# Altium PCB VHDCI_Carrier.PCBDOC (part 6 of 7) (continued)
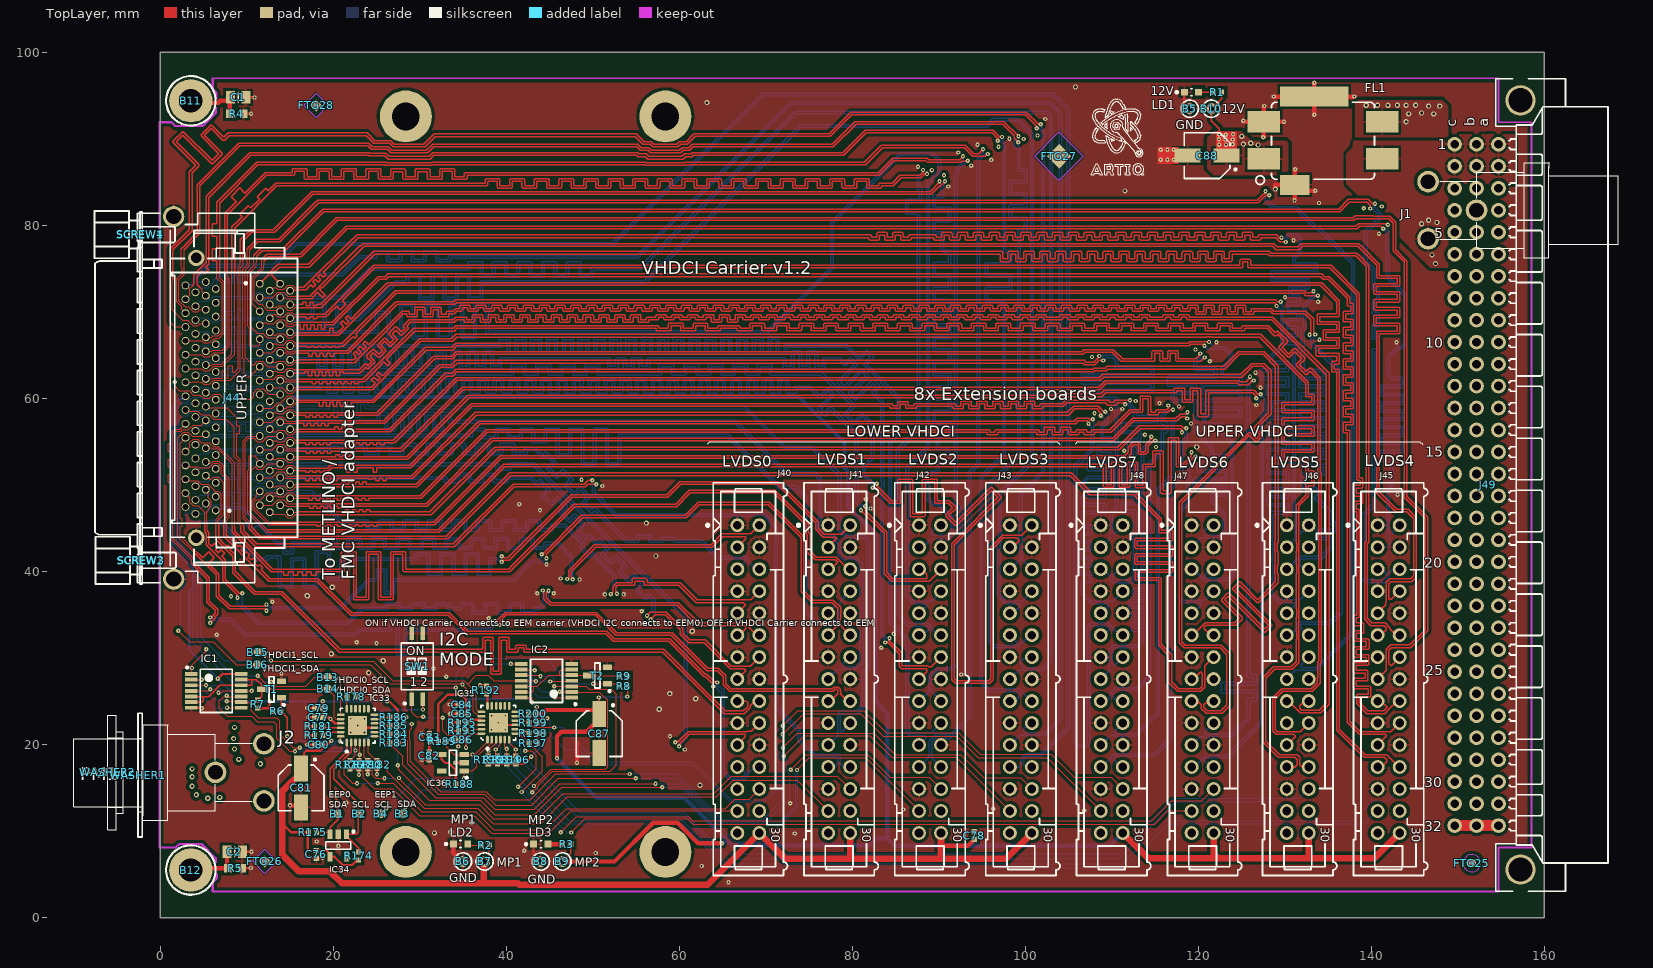
[diagram p0: TopLayer view]
## Nets (pads, with @x,y where several pads share a name; then routed paths per layer and width w, separated by ;. In a path a pad name is that pad's centre, name@x,y a point inside that pad or via, vN(x,y) a via of type N, cw(c..) or ccw(c..) an arc to the next point about the centre after c; other vN are vias at no path point) (continued)
  TopLayer w0.254: v1@116.883,58.713 v1(117.057,58.713)
  BottomLayer w0.152: J48.18@111.255,25.036 110.601,25.036 110.137,25.5 110.137,25.9 110.505,26.268 112.994,26.268 114.5,27.774 114.5,52.4 116.005,53.905 116.005,56.076 116.298,56.076 ccw(c116.298,56.228) 116.45,56.228 116.45,57.143 ccw(c116.298,57.143) 116.298,57.295 116.005,57.295 116.005,57.942 116.776,58.713 v1(117.057,58.713)
LVDS7_5_P: J44.U32 J48.17 | length 155.6
  TopLayer w0.127: J44.U32@12.675,48.471 12.948,48.744 13.496,48.744 13.61,48.63 14.278,48.63 14.76,49.111 15.29,49.111 15.658,48.744 15.825,48.744 15.85,48.769
  TopLayer w0.152: 15.85,48.769 30.069,48.769 37.6,56.3 37.705,56.405 95.728,56.405 cw(c95.728,56.252) 95.881,56.252 95.881,56.111 96.49,56.111 96.49,56.252 cw(c96.643,56.252) 96.643,56.405 101.442,56.405 cw(c101.442,56.252) 101.594,56.252 101.594,56.111 102.204,56.111 102.204,56.541 cw(c102.356,56.541) 102.356,56.694 103.271,56.694 cw(c103.271,56.541) 103.423,56.541 103.423,56.111 104.033,56.111 104.033,56.541 cw(c104.185,56.541) 104.185,56.694 105.1,56.694 cw(c105.1,56.541) 105.252,56.541 105.252,56.111 105.862,56.111 105.862,56.252 cw(c106.014,56.252) 106.014,56.405 106.928,56.405 cw(c106.928,56.252) 107.081,56.252 107.081,56.111 107.69,56.111 107.69,56.252 cw(c107.843,56.252) 107.843,56.405 109.774,56.405 112.074,58.705 113.262,58.705 113.262,60.116 cw(c113.414,60.116) 113.414,60.268 114.328,60.268 cw(c114.328,60.116) 114.481,60.116 114.481,58.427 115.09,58.427 115.09,58.552 cw(c115.243,58.552) 115.243,58.705 116.337,58.705 v1@116.614,58.982
  BottomLayer w0.152: J48.17@108.715,25.036 109.369,25.036 109.832,25.5 109.832,26.026 110.379,26.573 112.868,26.573 114.195,27.9 114.195,52.526 114.5,52.831 115.7,54.031 115.7,56.228 cw(c115.852,56.228) 115.852,56.381 116.146,56.381 116.146,56.99 115.852,56.99 cw(c115.852,57.143) 115.7,57.143 115.7,58.068 116.614,58.982 v1@116.614,59.156
  other v1: 116.5,59.2
LVDS7_6_N: J44.U67 J48.21 | length 156.3
  TopLayer w0.127: J44.U67@13.875,47.671 14.56,47.671 14.654,47.576 15.799,47.576 15.825,47.551
  TopLayer w0.152: 15.825,47.551 16.7,47.551 16.903,47.551 17.31,47.551 17.31,47.296 17.716,47.296 17.716,47.551 18.122,47.551 18.122,47.296 18.529,47.296 18.529,47.551 18.935,47.551 18.935,47.296 19.342,47.296 19.342,47.551 19.748,47.551 19.748,47.296 20.154,47.296 20.154,47.551 20.561,47.551 20.561,47.296 20.967,47.296 20.967,47.551 21.374,47.551 21.7,47.551 30.882,47.551 38.426,55.095 110.226,55.095 112.542,57.411 115.605,57.411 ; 115.605,57.411 117.456,57.411 ; 117.457,57.411 117.511,57.411 117.6,57.5 118.004,57.904 118.496,57.904 v1(118.7,57.7)
  BottomLayer w0.152: J48.21@108.715,19.956 109.843,21.084 110.184,21.084 110.31,20.959 112.89,20.959 115.5,23.569 115.5,49.369 116.7,50.569 117.162,51.031 117.162,57.066 118.001,57.906 118.493,57.906 v1(118.7,57.7)
LVDS7_6_P: J44.U33 J48.20 | length 156
  TopLayer w0.127: J44.U33@11.525,47.671 12.969,47.671 13.61,48.311 14.278,48.311 14.76,47.83 15.799,47.83 15.825,47.856
  TopLayer w0.152: 15.825,47.856 30.756,47.856 38.3,55.4 110.1,55.4 112.416,57.716 115.479,57.716 ; 115.479,57.716 117.385,57.716 117.878,58.209 118.537,58.209 v1(118.746,58.417)
  BottomLayer w0.152: J48.20@111.255,22.496 110.4,21.641 110.4,21.3 110.436,21.264 112.764,21.264 115.195,23.695 115.195,49.495 116.857,51.157 116.857,57.193 117.875,58.211 118.539,58.211 v1(118.746,58.417)
LVDS7_7_N: J44.U68 J48.24 | length 155.9
  TopLayer w0.127: J44.U68@15.025,46.871 15.031,46.864 15.825,46.864 15.85,46.89
  TopLayer w0.152: 15.85,46.89 21.2,46.89 21.403,46.89 21.403,47.145 21.81,47.145 21.81,46.89 22.216,46.89 22.216,47.145 22.622,47.145 22.622,46.89 23.029,46.89 23.029,47.145 23.435,47.145 23.435,46.89 23.842,46.89 23.842,47.145 24.248,47.145 24.248,46.89 24.3,46.89 31.19,46.89 38.7,54.4 110.7,54.4 113.137,56.837 118.059,56.837 118.148,56.748 118.341,56.555 v1(118.607,56.555)
  BottomLayer w0.152: J48.24@111.255,17.416 111.121,17.416 110.137,18.4 110.394,18.657 110.704,18.657 110.713,18.648 114.979,18.648 114.988,18.657 116.905,20.574 116.905,49.505 118.205,50.805 118.205,54.711 118.794,55.3 118.717,55.376 118.717,55.989 118.607,56.1 v1(118.607,56.555)
LVDS7_7_P: J44.U34 J48.23 | length 156
  TopLayer w0.127: J44.U34@12.675,46.871 12.935,46.61 14.38,46.61 14.76,46.23 15.29,46.23 15.67,46.61 15.825,46.61 15.85,46.585
  TopLayer w0.152: 15.85,46.585 31.316,46.585 38.826,54.095 110.826,54.095 113.264,56.533 117.933,56.533 118.1,56.366 v1(118.1,56.1)
  BottomLayer w0.152: J48.23@108.715,17.416 108.849,17.416 109.832,18.4 109.832,18.526 110.268,18.962 110.83,18.962 110.839,18.953 114.853,18.953 116.6,20.7 116.6,49.631 117.9,50.931 117.9,54.914 118.413,55.426 118.413,55.863 118.175,56.1 v1(118.1,56.1)
NetB11_1: B11.1 C1.1 R4.2 | length 6.8
  TopLayer w0.508: B11.1@3.556,94.412 3.81,94.158 6.713,94.158 6.967,94.412 7.736,94.412 C1.1@8.065,94.74 ; R4.2@8.065,92.913 C1.1@8.065,94.74 ; C1.1@8.142,94.818 C1.1@8.065,94.74
NetB12_1: B12.1 C2.1 R5.2 | length 6.3
  TopLayer w0.508: B12.1@3.556,5.512 3.759,5.715 R5.2@7.861,5.715 7.736,5.84 C2.1@7.736,7.62
NetIC1_5: IC1.5 IC1.6 IC1.12 IC1.13 R7.1 T1.3 | length 14.7
  TopLayer w0.152: IC1.6@3.593,24.913 4.821,24.913 4.978,25.07 4.978,25.563 ; IC1.5@3.593,25.563 4.978,25.563 ; IC1.13@9.393,27.513 10.617,27.513 ; R7.1@11.278,25.159 11.728,25.61 T1.3@11.728,26.392 11.728,26.905 11.121,27.513 10.617,27.513 ; 4.978,25.563 5.604,25.563 6.904,26.863 IC1.12@9.393,26.863 10.588,26.863 10.617,26.892 10.617,27.513
NetIC2_5: IC2.5 IC2.6 IC2.12 IC2.13 R9.1 T2.3 | length 15.8
  TopLayer w0.127: IC2.13@41.755,26.083 42.948,26.083 43.205,26.34 43.205,26.707 43.18,26.733 ; IC2.12@41.755,26.733 43.18,26.733 ; IC2.6@47.555,28.683 46.348,28.683 46.178,28.513 46.178,28.033 ; R9.1@53.099,27.884 52.992,27.991 T2.3@49.396,27.991 49.354,28.033 IC2.5@47.555,28.033 46.178,28.033 ; 43.18,26.733 43.598,26.733 44.898,28.033 46.178,28.033
NetIC33_18: IC33.18 R178.2 | length 1.4
  TopLayer w0.127: IC33.18@21.585,24.151 21.585,25.561 R178.2@21.591,25.566
NetIC33_22: IC33.22 R181.2 | length 2.1
  TopLayer w0.152: R181.2@18.809,22.125 18.983,21.951 IC33.22@20.885,21.951
NetIC33_23: IC33.23 R179.2 | length 2.2
  TopLayer w0.152: R179.2@18.809,21.083 19.177,21.451 IC33.23@20.885,21.451
NetIC33_24: IC33.24 R6.2 SW1.2 T1.1 | length 25.3
  TopLayer w0.152: T1.1@14.028,25.442 13.984,25.398 R6.2@13.984,23.834 14.681,23.137 v1(14.681,20.98) ; v1(20.803,20.382) 20.803,20.868 IC33.24@20.885,20.951 ; SW1.2@30.351,25.258 30.351,24.081 v1(30.378,24.054)
  BottomLayer w0.152: v1(14.681,20.98) 15.2,20.461 19.159,20.461 19.612,20.008 19.988,20.008 20.362,20.382 v1(20.803,20.382) 23.557,20.382 24.46,21.285 24.46,22.853 25.661,24.054 v1(30.378,24.054)
NetIC35_18: IC35.18 R192.2 | length 1.4
  TopLayer w0.254: R192.2@37.72,25.846 37.841,25.724 IC35.18@37.841,24.481
NetIC35_22: IC35.22 R195.2 | length 1.8
  TopLayer w0.127: R195.2@35.421,22.557 36.069,22.557 36.344,22.281 IC35.22@37.141,22.281
NetIC35_23: IC35.23 R193.2 | length 1.8
  TopLayer w0.127: R193.2@35.421,21.591 36.196,21.591 36.385,21.781 IC35.23@37.141,21.781
NetIC35_24: IC35.24 R8.2 SW1.1 T2.1 | length 40.5
  TopLayer w0.127: v1(30.429,23.216) 29.616,23.216 29.081,23.751 SW1.1@29.081,25.258 29.081,26.44 29.235,26.594 v1(34.176,26.594) ; v1(32.664,23.114) 32.664,21.693 33.274,21.083 36.019,21.083 36.216,21.281 IC35.24@37.141,21.281 ; v1(50.038,27.051) 52.819,27.051 R8.2@53.099,26.772
  BottomLayer w0.127: v1(30.429,23.216) 30.531,23.114 v1(32.664,23.114) ; v1(34.176,26.594) 34.247,26.664 34.247,28.227 36.017,29.997 44.495,29.997 47.441,27.051 v1(50.038,27.051)
NetLD1_2: LD1.2 R1.1 | length 1.7
  TopLayer w0.152: LD1.2@120.025,95.4 R1.1@121.73,95.4
NetLD2_2: LD2.2 R2.2 | length 1.6
  TopLayer w0.127: LD2.2@35.525,8.5 35.625,8.4 R2.2@37.13,8.4
NetLD3_2: LD3.2 R3.2 | length 1.7
  TopLayer w0.508: LD3.2@44.825,8.5 R3.2@46.53,8.5
P3V3_MP0: B7.1 C76.2 C77.2 C78.2 C79.2 C80.2 C81.1 IC1.14 IC33.21 IC34.4 J40.30 J41.30 J42.30 J43.30 J44.L52 R2.1 R6.1 R7.2 R174.2 R175.2 R176.2 R177.2 R180.2 R182.2 R183.2 R184.2 R185.2 R186.2 | length 212.7
  TopLayer w0.127: B7.1@37.5,6.5 38.07,7.07 R2.1@38.07,8.4
  TopLayer w0.254: v1(6.68,27.635) 7.208,28.163 IC1.14@9.393,28.163 ; R7.2@11.278,24.219 12.659,24.219 ; v1(12.659,25) 12.659,24.219 ; R6.1@13.044,23.834 12.659,24.219 ; 14.1,10.9 15.123,9.877 R175.2@17.16,9.877 17.071,9.788 17.071,7.761 C76.2@18.061,7.761 19.237,7.761 IC34.4@19.484,7.514 ; C81.1@16.618,17.1 16.618,19.018 16.9,19.3 18.512,19.3 18.764,19.552 C80.2@18.764,19.991 19.33,19.991 v1(19.8,20.461) ; v1(18.8,25) 18.789,24.989 C79.2@18.789,24.233 C77.2@18.789,23.166 19.508,23.166 v1(19.7,22.974) 20.223,22.451 IC33.21@20.885,22.451 ; IC34.4@19.651,7.053 20.147,7.053 21.1,6.1 22.2,6.1 22.763,6.663 R174.2@22.938,6.663 ; R176.2@21.946,17.21 R177.2@22.988,17.21 v1(22.988,16.537) ; v1(24.004,16.588) R180.2@24.004,17.21 ; v1(25.07,16.588) R182.2@25.07,17.235 ; v1(26.263,25) 26.498,25 27.496,24.002 R186.2@27.496,23.166 R185.2@27.496,22.201 R184.2@27.496,21.21 R183.2@27.496,20.22 28.18,20.22 v1(28.2,20.2)
  TopLayer w0.508: 90.255,8.297 93.347,8.297 C78.2@94.1,9.05
  TopLayer w0.762: C81.1@16.618,17.1 14.1,14.582 14.1,10.9 14.1,7.3 16.051,5.349 19.651,5.349 21,4 37.4,4 ; B7.1@37.5,6.5 37.4,6.4 37.4,4 ; J41.30@79.755,9.796 79.755,6.959 79.63,6.834 ; J42.30@90.255,9.796 90.255,8.297 90.255,6.902 90.323,6.834 ; J43.30@100.755,9.796 97.793,6.834 90.323,6.834 ; 37.4,4 41.316,4 41.504,3.811 63.27,3.811 J40.30@69.255,9.796 72.217,6.834 79.63,6.834 ; 79.63,6.834 90.323,6.834
  BottomLayer w0.254: J44.L52@2.945,60.271 2.566,60.271 2.566,59.948 2.243,59.948 1.347,59.052 1.347,42.851 3.816,40.382 3.816,38.198 3.379,37.761 3.379,30.962 9.168,25.173 9.184,25.188 9.372,25 v1(12.659,25) v1(18.8,25) v1(26.263,25)
P3V3_MP1: B9.1 C82.2 C83.2 C84.2 C85.2 C86.2 C87.1 IC2.14 IC35.21 IC36.4 J44.U52 J45.30 J46.30 J47.30 J48.30 R3.1 R8.1 R9.2 R188.2 R189.2 R190.2 R191.2 R194.2 R196.2 R197.2 R198.2 R199.2 R200.2 | length 327
  TopLayer w0.152: IC2.14@41.755,25.433 42.919,25.433 42.977,25.375 v1(42.977,24.913) ; B9.1@46.5,6.5 47.47,7.47 R3.1@47.47,8.5 ; v1(50.698,25.451) 50.749,25.4 50.749,24.004 C87.1@50.749,23.529 ; v1(54,25.563) 54.039,25.601 R8.1@54.039,26.772 R9.2@54.039,27.884
  TopLayer w0.254: R188.2@34.176,15.419 34.176,17.066 33.359,17.883 32.97,17.883 32.533,18.319 IC36.4@32.533,18.858 31.403,18.858 C82.2@31.116,19.146 31.116,20.354 C83.2@31.141,20.379 32.162,20.379 R189.2@32.17,20.372 32.16,20.381 32.16,24.694 33.224,25.757 34.824,25.757 35.376,25.205 C84.2@35.376,24.639 C85.2@35.376,23.573 36.074,22.874 37.048,22.874 IC35.21@37.141,22.781 ; C86.2@35.35,20.55 35.35,19.668 v1(35.357,19.661) ; R190.2@37.948,17.769 R191.2@38.99,17.769 R194.2@40.056,17.769 R196.2@41.098,17.769 42.05,17.769 v1(42.901,18.62) ; R200.2@43.549,23.573 v1(43.549,24.347) ; R199.2@43.574,22.531 43.676,22.43 v1(44.374,22.43) ; R197.2@43.6,20.144 R198.2@43.6,21.312 44.374,21.312 v1(44.4,21.337)
  TopLayer w0.508: R200.2@43.549,23.573 44.222,23.573 44.654,24.004 C87.1@50.749,24.004 ; v1(45.873,18.416) 45.873,20.982 46.381,21.49 49.303,21.49 50.749,22.936 C87.1@50.749,23.529 ; B9.1@46.5,6.5 52.519,6.5 57,10.981 59.8,10.981 62.181,8.6 v1(64.9,8.6)
  TopLayer w0.762: J48.30@111.255,9.796 114.166,6.885 122.2,6.885 ; J47.30@121.755,9.796 121.755,7.33 122.2,6.885 ; J46.30@132.755,9.796 132.755,6.899 132.741,6.885 ; J45.30@143.255,9.796 140.344,6.885 132.741,6.885 ; 122.2,6.885 132.741,6.885
  BottomLayer w0.152: v1(50.698,25.451) 53.888,25.451 v1(54,25.563)
  BottomLayer w0.254: v1(34.849,25.782) 35.357,25.274 ; v1(35.357,19.661) 35.357,25.274 ; v1(42.901,18.62) 44.4,20.118 v1(44.4,21.337) 44.4,22.404 v1(44.374,22.43) 43.549,23.255 v1(43.549,24.347) 42.622,25.274 35.357,25.274
  BottomLayer w0.508: J44.U52@15.025,59.671 15.528,60.174 73.838,60.174 79.096,54.916 79.096,51.97 79.553,51.513 79.553,47.447 82.7,44.3 82.7,24.947 84.024,23.623 84.024,9.196 ; v1(45.873,18.416) 50.445,13.844 60.63,13.844 65.475,9 ; v1(64.9,8.6) 65.075,8.6 65.475,9 ; J48.30@111.255,9.796 109.756,8.297 84.923,8.297 84.024,9.196 ; 65.475,9 66.117,8.358 81.966,8.358 82.805,9.196 84.024,9.196
P12V0: B10.1 C88.1 FL1.2 J40.28 J40.29 J41.28 J41.29 J42.28 J42.29 J43.28 J43.29 J45.28 J45.29 J46.28 J46.29 J47.28 J47.29 J48.28 J48.29 R1.2 | length 5.7
  TopLayer w0.152: v1(122.402,90.518) 122.402,91.198 121.5,92.1 B10.1@121.5,93.5 122.67,94.67 R1.2@122.67,95.4
  other v1: 122.402,89.349 123.189,89.348 123.951,89.399 123.138,89.932 123.976,89.932 122.376,89.957 123.163,90.491 124.002,90.542
  other v2: 126.9,89.3 125.2,89.4 126.06,89.51 125,90.3
P12V0F: FL1.1 J1.3 J2.3 J49.a1 J49.a2 J49.b1 J49.b2 J49.c1 J49.c2
  other v2: 11.6,17.8 9.1,18.3 8.6,19.5 8.5,20.7 8.6,22 147.4,75.6 147,76.6 145.8,80.2 147.562,80.34 146.6,80.6
VCC: 
VHDCI0_SCL: B13.1 IC1.4 IC1.11 IC33.19 J44.L17 | length 65.8
  TopLayer w0.127: IC1.4@3.593,26.213 5.613,26.213 v1(5.791,26.391) ; v1(6.756,26.01) 7.087,26.01 7.29,26.213 IC1.11@9.393,26.213 v1(10.604,26.213) ; v1(12.853,27.281) 13.361,26.773 16.816,26.773 17.856,27.813 B13.1@19.38,27.813 20.369,27.813 20.885,27.296 IC33.19@20.885,23.451
  BottomLayer w0.127: v1(5.791,26.391) 6.375,26.391 v1(6.756,26.01) ; J44.L17@6.445,59.871 5.027,59.871 4.722,60.176 3.756,60.176 3.21,59.63 2.374,59.63 1.664,58.92 1.664,43.065 4.133,40.596 4.133,38.066 3.861,37.794 3.861,31.726 4.234,31.354 4.323,31.354 4.581,31.096 4.581,31.006 8.306,27.281 10.719,27.281 ; v1(10.604,26.213) 10.719,26.328 10.719,27.281 ; v1(12.853,27.281) 10.719,27.281
VHDCI0_SDA: B14.1 IC1.1 IC1.8 IC33.20 J44.L51 | length 64.5
  TopLayer w0.127: IC1.1@3.593,28.163 3.593,29.109 5.348,30.863 v1(5.348,31.013) ; v1(7.748,24.282) 7.767,24.263 IC1.8@9.393,24.263 ; v1(11.304,27.967) 12.867,26.403 19.342,26.403 B14.1@19.38,26.441 20.143,25.679 20.143,23.141 20.333,22.951 IC33.20@20.885,22.951
  BottomLayer w0.127: v1(3.7,28.854) 3.7,26.78 6.198,24.282 v1(7.748,24.282) ; J44.L51@4.095,59.471 4,59.376 2.48,59.376 1.956,58.853 1.956,43.256 4.387,40.825 4.387,37.961 4.293,37.867 4.293,32.107 8.433,27.967 v1(11.304,27.967)
VHDCI1_SCL: B15.1 IC2.4 IC2.11 IC35.19 J44.U17 | length 89.1
  TopLayer w0.127: B15.1@11.278,30.683 11.864,30.683 v1(12.828,29.719) 12.929,29.618 24.639,29.618 26.865,27.391 35.133,27.391 35.535,26.99 ; J44.U17@11.525,60.471 J44.U17@11.525,60.511 ; IC35.19@37.141,23.781 36.876,23.781 36.564,24.093 36.564,25.96 35.535,26.99 ; v1(43.434,27.342) 43.393,27.383 IC2.11@41.755,27.383 38.546,27.383 37.902,28.026 37.537,28.026 37.527,28.016 36.561,28.016 35.535,26.99 ; v1(45.102,27.305) 47.477,27.305 IC2.4@47.555,27.383
  BottomLayer w0.127: J44.U17@11.525,60.471 10.969,60.471 10.546,60.894 10.181,60.894 9.758,60.471 8.375,60.471 6.96,59.056 6.186,59.056 5.56,58.43 5.029,58.43 4.835,58.625 3.811,58.625 3.176,57.99 2.515,57.99 2.21,57.685 2.21,43.408 4.725,40.893 4.725,32.488 7.494,29.719 v1(12.828,29.719) ; v1(43.434,27.342) 45.065,27.342 v1(45.102,27.305)
VHDCI1_SDA: B16.1 IC2.1 IC2.8 IC35.20 J44.U51 | length 103.4
  TopLayer w0.127: v1(1.685,61.909) 1.685,61.462 2.235,60.911 3.348,60.911 3.857,60.403 4.657,60.403 5.029,60.03 5.698,60.03 6.179,60.511 6.877,60.511 7.443,59.945 10.479,59.945 10.804,60.271 10.804,60.691 11.225,61.111 11.928,61.111 12.569,60.471 J44.U51@13.875,60.471 ; v1(2.108,33.172) 3.402,31.878 6.173,31.878 8.814,29.237 24.334,29.237 26.536,27.034 34.867,27.034 v1@34.926,26.976 ; v1(34.95,26.951) 36.221,25.681 36.221,23.877 36.817,23.281 IC35.20@37.141,23.281 ; v1(40.513,29.333) IC2.8@41.755,29.333 ; v1(45.618,25.476) 45.662,25.433 IC2.1@47.555,25.433
  BottomLayer w0.127: v1(1.685,61.909) 1.595,61.909 0.457,60.771 0.457,42.316 2.99,39.783 2.99,38.54 2.413,37.962 2.413,33.477 v1(2.108,33.172) ; v1(34.95,26.951) 34.95,27.915 36.368,29.333 v1(40.513,29.333) 41.356,29.333 42.577,28.111 42.577,26.689 43.79,25.476 v1(45.618,25.476)
pads on no net: FTG25.FTG2 FTG26.1 FTG27.1 FTG28.1 IC33.12 IC33.13 IC33.14 IC33.15 IC33.16 IC33.17 IC34.5 IC35.12 IC35.13 IC35.14 IC35.15 IC35.16 IC35.17 IC36.5 J1.2 J2.2 J49.a3 J49.a5 J49.a6 J49.a7 J49.a8 J49.a9 J49.a10 J49.a12 J49.a13 J49.a14 J49.a15 J49.a16 J49.a17 J49.a19 J49.a20 J49.a21 J49.a22 J49.a23 J49.a24 J49.a26 J49.a27 J49.a28 J49.a29 J49.a30 J49.a31 J49.b3 J49.b5 J49.b6 J49.b7 J49.b8 J49.b9 J49.b10 J49.b12 J49.b13 J49.b14 J49.b15 J49.b16 J49.b17 J49.b19 J49.b20 J49.b21 J49.b22 J49.b23 J49.b24 J49.b26 J49.b27 J49.b28 J49.b29 J49.b30 J49.b31 J49.c3 J49.c5 J49.c6 J49.c7 J49.c8 J49.c9 J49.c10 J49.c12 J49.c13 J49.c14 J49.c15 J49.c16 J49.c17 J49.c19 J49.c20 J49.c21 J49.c22 J49.c23 J49.c24 J49.c26 J49.c27 J49.c28 J49.c29 J49.c30 J49.c31 J49.MTG1 J49.MTG2
copper on no net:
  other v1: 90.6,85.8 89.2,86.4 96.9,89.1 99.8,90 101.4,90.4

## Polygon pours and split planes (outlines as drawn)
GND on TopLayer "top_gnd" (solid, remove dead copper, pour order 0): 6.096,97.003 154.686,97.003 154.686,91.923 158.496,91.923 158.496,8.103 154.686,8.103 154.686,3.023 6.096,3.023 6.096,8.103 -0.051,8.103 -0.051,91.923 6.096,91.923
P12V0F on TopLayer "L3-No Net" (solid, pour order 6): 148.9,90.2 149.2,90.518 156.6,90.542 156.6,84.8 148.9,84.8 148.9,75.1 146.8,75.1 137.1,84.8 137.1,87 137.1,88.3 137.8,89 138,90.2
GNDF on TopLayer "L3-No Net" (solid, remove dead copper, pour order 4): 138.1,90.2 138.1,90.4 138.1,94.3 138.3,94.5 143.7,94.5 148.2,94.5 148.7,94 148.9,93.8 148.9,91.9 148.9,90.2
P12V0 on TopLayer "L3-No Net" (solid, pour order 8): 130.4,89.5 130.4,86.4 130.1,86.1 129.807,85.807 127.702,85.807 121.793,85.807 121.2,86.4 121,86.6 121,90 121,90.1 121.7,90.8 121.8,90.9 123.3,90.9 125,90.9 125.4,90.5 126.1,89.8 130.1,89.8
GND on BottomLayer "top_gnd" (solid, remove dead copper, pour order 2): 6.096,97.003 154.686,97.003 154.686,91.923 158.496,91.923 158.496,8.103 154.686,8.103 154.686,3.127 154.75,3.063 154.71,3.023 6.096,3.023 6.096,8.103 -0.051,8.103 -0.051,91.923 6.096,91.923
P12V0F on BottomLayer "BottomLayer-P12V0F" (solid, remove dead copper, pour order 16): 148.565,90.78 155.372,90.78 156.108,90.043 156.108,86.487 155.219,85.598 155.219,75.082 147.193,75.082 143.662,78.613 143.662,86.182 148.311,90.83 148.488,90.83
GNDF on BottomLayer "L3-No Net" (solid, pour order 12): 4.253,18.853 7.411,18.853 9,17.264 9,15.4 9,14 8.7,13.7 8.1,13.1 6.4,13.1 4.6,13.1 4,13.7 3.3,14.4 3.3,16.2 3.3,17.9 3.9,18.5
P12V0F on BottomLayer "L3-No Net" (solid, pour order 10): 8.7,22.553 12.6,22.553 14,21.153 14,17.653 13.1,16.753 12.6,16.753 10,16.753 7.9,18.853 7.9,21.353 7.9,21.753
GND on Internal Plane 1 (split plane): 137.971,90.2 137.98,90.15 138.008,90.108 138.908,89.208 138.95,89.18 139,89.171 143.046,89.171 147.508,84.708 147.971,84.246 147.971,10.254 142.446,4.729 10.454,4.729 8.334,6.849 8.334,17.995 8.324,18.045 8.296,18.087 5.992,20.392 5.95,20.42 5.9,20.429 0.51,20.429 0.51,99.489 137.971,99.489
GNDF on Internal Plane 1 (split plane): 159.484,0.51 0.51,0.51 0.51,20.171 5.846,20.171 8.075,17.942 8.075,6.795 8.085,6.746 8.113,6.704 10.308,4.508 10.35,4.48 10.4,4.471 142.5,4.471 142.55,4.48 142.592,4.508 148.192,10.108 148.22,10.15 148.229,10.2 148.229,84.3 148.22,84.35 148.192,84.392 147.692,84.892 143.192,89.392 143.15,89.42 143.1,89.429 139.054,89.429 138.229,90.254 138.229,99.489 159.484,99.489
P12V0F on Internal Plane 2 (split plane): 159.484,0.51 0.51,0.51 0.51,22.471 11.946,22.471 13.917,20.5 13.917,7.754 13.927,7.704 13.955,7.662 17.108,4.508 17.15,4.48 17.2,4.471 65.022,4.471 65.024,4.469 65.061,4.454 65.1,4.449 65.139,4.454 65.176,4.469 65.178,4.471 145.951,4.471 146.001,4.48 146.043,4.508 149.698,8.163 149.726,8.205 149.735,8.255 149.735,82.494 149.735,82.694 149.726,82.744 149.698,82.786 145.729,86.754 145.729,87.346 145.792,87.408 149.304,90.921 159.484,90.921
GND on Internal Plane 2 (split plane): 159.484,91.179 149.25,91.179 149.2,91.17 149.158,91.142 145.7,87.683 141.892,91.492 141.85,91.52 141.8,91.529 139.254,91.529 137.092,93.692 137.05,93.72 137,93.729 125.078,93.729 125.076,93.731 125.039,93.746 125,93.751 123.9,93.751 123.861,93.746 123.824,93.731 123.793,93.707 121.393,91.307 121.369,91.276 121.354,91.239 121.349,91.2 121.349,87.4 121.354,87.361 121.369,87.324 121.393,87.293 123.093,85.593 123.124,85.569 123.161,85.554 123.2,85.549 127.563,85.549 128.504,84.608 128.546,84.58 128.595,84.571 137.051,84.571 138.013,83.608 138.055,83.58 138.105,83.571 139.246,83.571 142.171,80.646 142.171,75.681 142.18,75.631 142.208,75.589 144.171,73.627 144.171,64.273 144.169,64.271 144.154,64.234 144.149,64.195 144.149,18.506 139.594,13.951 66.2,13.951 66.161,13.946 66.124,13.931 66.093,13.907 64.993,12.807 64.969,12.776 64.963,12.761 64.954,12.739 64.949,12.7 64.949,4.729 53.629,4.729 53.629,25.7 53.62,25.75 53.592,25.792 51.992,27.392 51.95,27.42 51.9,27.429 15.6,27.429 15.55,27.42 15.508,27.392 11.908,23.792 11.88,23.75 11.871,23.7 11.871,22.729 0.51,22.729 0.51,99.489 159.484,99.489
P12V0 on Internal Plane 2 (split plane): 139.108,91.308 139.15,91.28 139.2,91.271 141.746,91.271 145.517,87.5 145.508,87.492 145.48,87.45 145.471,87.4 145.471,86.7 145.48,86.65 145.508,86.608 149.477,82.64 149.477,82.494 149.477,8.309 145.897,4.729 65.251,4.729 65.251,12.637 66.263,13.649 139.657,13.649 139.696,13.654 139.718,13.663 139.733,13.669 139.764,13.693 144.407,18.336 144.431,18.367 144.446,18.404 144.451,18.443 144.451,64.195 144.446,64.234 144.431,64.271 144.429,64.273 144.429,73.681 144.42,73.73 144.392,73.772 142.429,75.734 142.429,80.7 142.42,80.75 142.392,80.792 139.392,83.792 139.35,83.82 139.3,83.829 138.158,83.829 137.196,84.792 137.154,84.82 137.105,84.829 128.649,84.829 127.742,85.737 127.741,85.739 127.726,85.776 127.702,85.807 127.671,85.831 127.634,85.846 127.595,85.851 123.263,85.851 121.651,87.463 121.651,91.137 123.963,93.449 125,93.449 125.039,93.454 125.076,93.469 125.078,93.471 136.946,93.471
P3V3_MP0 on Internal Plane 2 (split plane): 31.871,10.6 31.88,10.55 31.908,10.508 34.108,8.308 34.15,8.28 34.2,8.271 38.446,8.271 39.371,7.346 39.371,4.729 17.254,4.729 14.176,7.807 14.176,20.554 14.166,20.603 14.138,20.645 12.129,22.654 12.129,23.646 15.654,27.171 31.871,27.171
GND on Internal Plane 2 (split plane): 53.371,25.646 53.371,4.729 39.629,4.729 39.629,7.4 39.62,7.45 39.592,7.492 38.592,8.492 38.55,8.52 38.5,8.529 34.254,8.529 32.129,10.654 32.129,27.171 51.846,27.171

## Keep-outs
TopLayer:
  lines w0.254: -0.051,8.103 1.793,8.103 2.21,8.52 4.791,8.52 6.445,6.865 6.445,6.426 ; -0.051,91.923 1.321,91.923 1.753,91.491 4.928,91.491 6.426,92.989 6.426,93.648 ; 6.096,3.023 6.096,4.065 6.551,4.519 6.551,5.004 ; 6.096,97.003 6.096,95.783 6.502,95.377 6.502,94.666
BottomLayer:
  lines w0.254: -0.051,8.103 1.778,8.103 2.159,8.484 4.801,8.484 6.452,6.833 6.452,4.479 6.096,4.123 6.096,3.023 ; -0.051,91.923 1.27,91.923 1.727,91.465 4.902,91.465 6.528,93.091 6.528,95.393 6.096,95.825 6.096,97.003
KeepOutLayer:
  lines w0.203: -0.051,8.103 -0.051,91.923 ; 6.096,3.023 154.686,3.023 154.686,8.103 158.496,8.103 158.496,91.923 154.686,91.923 154.686,97.003 6.096,97.003

## Other copper
TopLayer:
  rectangle net P12V0: 122.046,88.867 124.459,90.848
  rectangle net GND: 115.29,87.114 117.703,89.095
Internal Plane 1 (plane layer: these items are gaps in the copper):
  lines w0.254: 0,20.3 5.9,20.3 8.205,17.995 8.205,6.795 10.4,4.6 30.8,4.6 142.5,4.6 148.1,10.2 148.1,84.3 147.6,84.8 143.1,89.3 139,89.3 138.1,90.2 138.1,99.9 137.9,100.1
Internal Plane 2 (plane layer: these items are gaps in the copper):
  lines w0.254: -0.1,22.6 12,22.6 ; 39.5,4.6 39.5,7.4 38.5,8.4 34.2,8.4 32,10.6 32,27.3 ; 53.5,4.6 53.5,25.7 51.9,27.3 32,27.3 ; 124.6,93.6 137,93.6 139.2,91.4 141.8,91.4 145.7,87.5 ; 127.595,85.7 128.595,84.7 137.105,84.7 138.105,83.7 139.3,83.7 142.3,80.7 142.3,75.681 144.3,73.681 144.3,64.195 ; 160,91.05 149.25,91.05 145.6,87.4 145.6,86.7 149.606,82.694 149.606,82.494 149.606,8.255 145.951,4.6 17.2,4.6 14.046,7.754 14.046,20.554 12,22.6 ; 12,22.6 12,23.7 15.6,27.3 32,27.3
  lines w0.3: 65.1,4.6 65.1,12.7 66.2,13.8 139.657,13.8 144.3,18.443 144.3,64.195 ; 125,93.6 123.9,93.6 121.5,91.2 121.5,87.4 123.2,85.7 127.595,85.7

## Silkscreen, mask and mechanical layers (free items; w line width, h text height)
TopOverlay:
  drawing of 1225 lines, arcs and shapes, not listed
  text "12V" at 114.508,95.037 h1
  text "12V" at 122.7,93 h1
  text "GND" at 117.4,91.1 h1
  text "VHDCI Carrier v1.2" at 55.677,74.371 h1.5
  text "8x Extension boards" at 87.1,59.8 h1.5
  text "LOWER VHDCI" at 79.3,55.6 h1.27
  text "UPPER VHDCI" at 119.7,55.6 h1.27
  text "LVDS1" at 75.895,52.375 h1.27
  text "LVDS2" at 86.452,52.375 h1.27
  text "LVDS3" at 97.009,52.375 h1.27
  text "LVDS4" at 139.2,52.2 h1.27
  text "LVDS0" at 65,52.095 h1.27
  text "LVDS7" at 107.186,52.007 h1.27
  text "LVDS6" at 117.743,52.007 h1.27
  text "LVDS5" at 128.3,52.007 h1.27
  text "To METLINO /  / FMC VHDCI adapter" at 22.504,39.04 h1.5 r90
  text "ON if VHDCI Carrier  connects to EEM carrier (VHDCI I2C connects to EEM0) OFF if VHDCI Carrier connects to EEM" at 23.698,33.68 h0.76
  text "VHDCI1_SCL" at 11.836,29.972 h0.76
  text "I2C / MODE" at 32.283,29.134 h1.52
  text "VHDCI1_SDA" at 11.759,28.422 h0.76
  text "VHDCI0_SCL" at 19.964,27.102 h0.76
  text "VHDCI0_SDA" at 20.015,25.959 h0.76
  text "SDA" at 27.457,12.751 h0.76
  text "EEP0 / SDA" at 19.507,12.725 h0.76
  text "SCL" at 22.225,12.725 h0.76
  text "EEP1 / SCL" at 24.79,12.725 h0.76
  text "MP1" at 33.583,10.873 h1
  text "MP2" at 42.58,10.781 h1
  text "MP1" at 38.9,5.9 h1
  text "MP2" at 47.9,5.9 h1
  text "GND" at 33.4,4.1 h1
  text "GND" at 42.5,3.9 h1
BottomOverlay:
  drawing of 1216 lines, arcs and shapes, not listed